# Altium PCB PCB1.PcbDoc (part 3 of 14)
Units mm, origin at the board's own origin, x right, y up, seen from the top; angles counter-clockwise.
Board outline 77.2 x 62.23 mm, 2 copper layers (Top Layer, Bottom Layer); 102 components, 131 nets, 23089 pads, 324 vias.
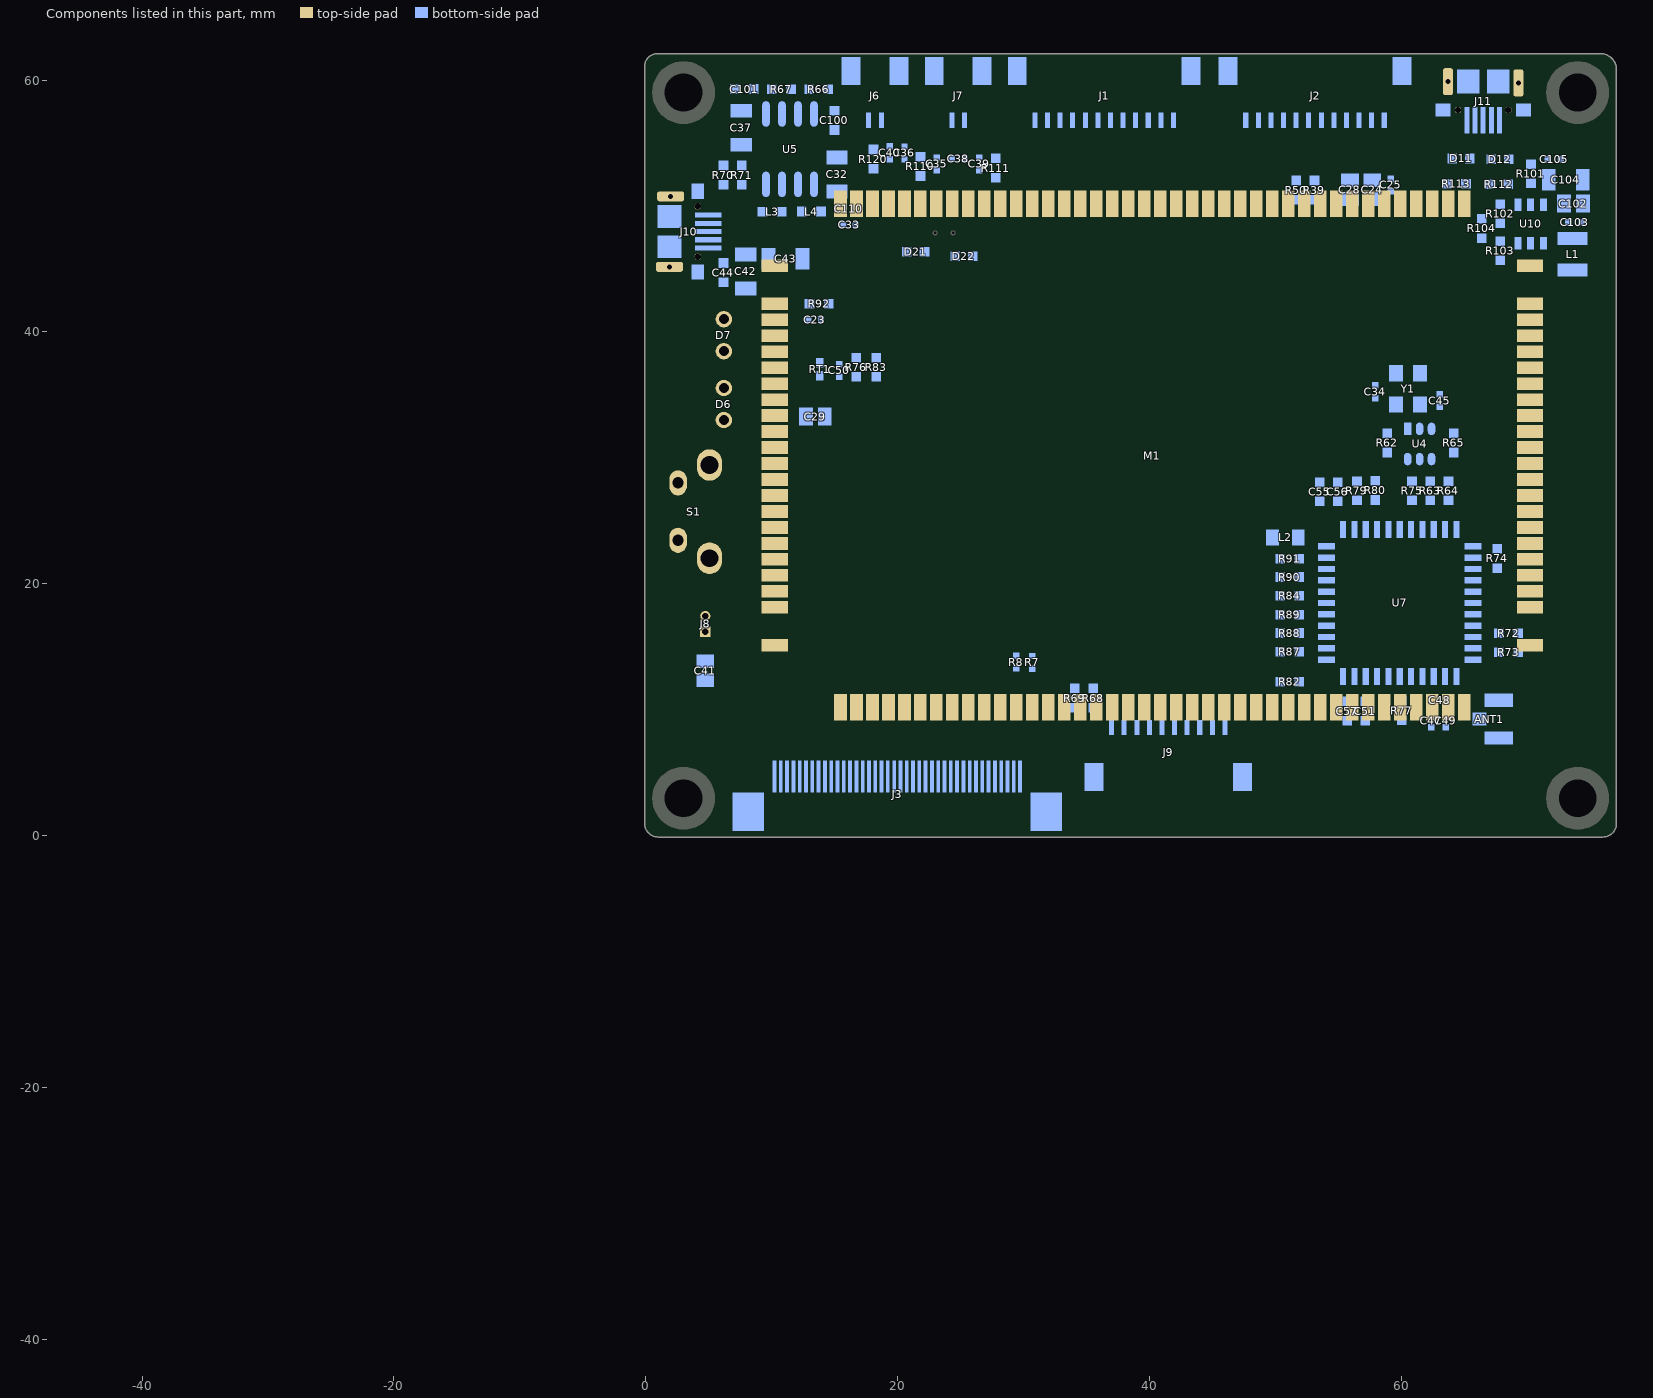
[diagram p3: the components of this part, seen from the top]

## Free pads (board coordinates) (continued)
  round 0 on Mech8: 1(-45.257,-40.501) 1(-45.257,-40.501) 1(-45.257,-40.501) 1(-45.257,-40.501) 1(-45.257,-40.5) 1(-45.257,-40.5) 1(-45.257,-40.5) 1(-45.257,-40.48) 1(-45.257,-40.48) 1(-45.257,-40.48) 1(-45.257,-40.48) 1(-45.257,-40.48) 1(-45.257,-40.48) 1(-45.257,-40.48) 1(-45.257,-40.48) 1(-45.257,-40.48) 1(-45.257,-40.478) 1(-45.257,-40.478) 1(-45.257,-40.478) 1(-45.257,-40.477) 1(-45.257,-40.477) 1(-45.257,-40.477) 1(-45.257,-40.477) 1(-45.257,-40.477) 1(-45.257,-40.477) 1(-45.256,-40.506) 1(-45.256,-40.506) 1(-45.256,-40.506) 1(-45.256,-40.506) 1(-45.256,-40.506) 1(-45.256,-40.506) 1(-45.256,-40.505) 1(-45.256,-40.505) 1(-45.256,-40.505) 1(-45.256,-40.505) 1(-45.256,-40.505) 1(-45.256,-40.505) 1(-45.256,-40.51) 1(-45.256,-40.51) 1(-45.256,-40.51) 1(-45.256,-40.51) 1(-45.256,-40.51) 1(-45.256,-40.51) 1(-45.256,-40.509) 1(-45.256,-40.509) 1(-45.256,-40.509) 1(-45.256,-40.509) 1(-45.256,-40.509) 1(-45.256,-40.509) 1(-45.256,-40.503) 1(-45.256,-40.503) 1(-45.256,-40.503) 1(-45.256,-40.503) 1(-45.256,-40.503) 1(-45.256,-40.503) 1(-45.256,-40.501) 1(-45.256,-40.501) 1(-45.256,-40.501) 1(-45.256,-40.501) 1(-45.256,-40.501) 1(-45.256,-40.501) 1(-45.256,-40.501) 1(-45.256,-40.501) 1(-45.256,-40.501) 1(-45.256,-40.501) 1(-45.256,-40.501) 1(-45.256,-40.501) 1(-45.256,-40.5) 1(-45.256,-40.5) 1(-45.256,-40.5) 1(-45.256,-40.5) 1(-45.256,-40.5) 1(-45.256,-40.5) 1(-45.246,-40.493) 1(-45.246,-40.493) 1(-45.246,-40.493) 1(-45.246,-40.493) 1(-45.246,-40.493) 1(-45.246,-40.493) 1(-45.246,-40.492) 1(-45.246,-40.492) 1(-45.246,-40.492) 1(-45.246,-40.491) 1(-45.246,-40.491) 1(-45.246,-40.491) 1(-45.246,-40.49) 1(-45.246,-40.49) 1(-45.246,-40.49) 1(-45.246,-40.49) 1(-45.246,-40.49) 1(-45.246,-40.49) 1(-45.246,-40.49) 1(-45.246,-40.49) 1(-45.246,-40.49) 1(-45.246,-40.49) 1(-45.246,-40.49) 1(-45.246,-40.49) 1(-45.246,-40.489) 1(-45.246,-40.489) 1(-45.246,-40.489) 1(-45.246,-40.488) 1(-45.246,-40.488) 1(-45.246,-40.488) 1(-45.246,-40.487) 1(-45.246,-40.487) 1(-45.246,-40.487) 1(-45.246,-40.487) 1(-45.246,-40.487) 1(-45.246,-40.487) 1(-45.246,-40.487) 1(-45.246,-40.487) 1(-45.246,-40.487) 1(-45.246,-40.487) 1(-45.246,-40.487) 1(-45.246,-40.487) 1(-45.246,-40.486) 1(-45.246,-40.486) 1(-45.246,-40.486) 1(-45.246,-40.485) 1(-45.246,-40.485) 1(-45.246,-40.485) 1(-45.246,-40.484) 1(-45.246,-40.484) 1(-45.246,-40.484) 1(-45.246,-40.484) 1(-45.246,-40.484) 1(-45.246,-40.484) 1(-45.246,-40.484) 1(-45.246,-40.484) 1(-45.246,-40.484) 1(-45.246,-40.484) 1(-45.246,-40.484) 1(-45.246,-40.484) 1(-45.246,-40.483) 1(-45.246,-40.483) 1(-45.246,-40.483) 1(-45.246,-40.482) 1(-45.246,-40.482) 1(-45.246,-40.482) 1(-45.246,-40.481) 1(-45.246,-40.481) 1(-45.246,-40.481) 1(-45.246,-40.481) 1(-45.246,-40.481) 1(-45.246,-40.481) 1(-45.245,-40.493) 1(-45.245,-40.493) 1(-45.245,-40.493) 1(-45.245,-40.493) 1(-45.245,-40.493) 1(-45.245,-40.493) 1(-45.245,-40.492) 1(-45.245,-40.492) 1(-45.245,-40.492) 1(-45.245,-40.491) 1(-45.245,-40.491) 1(-45.245,-40.491) 1(-45.245,-40.49) 1(-45.245,-40.49) 1(-45.245,-40.49) 1(-45.245,-40.49) 1(-45.245,-40.49) 1(-45.245,-40.49) 1(-45.245,-40.49) 1(-45.245,-40.49) 1(-45.245,-40.49) 1(-45.245,-40.49) 1(-45.245,-40.49) 1(-45.245,-40.49) 1(-45.245,-40.489) 1(-45.245,-40.489) 1(-45.245,-40.489) 1(-45.245,-40.488) 1(-45.245,-40.488) 1(-45.245,-40.488) 1(-45.245,-40.487) 1(-45.245,-40.487) 1(-45.245,-40.487) 1(-45.245,-40.487) 1(-45.245,-40.487) 1(-45.245,-40.487) 1(-45.245,-40.487) 1(-45.245,-40.487) 1(-45.245,-40.487) 1(-45.245,-40.487) 1(-45.245,-40.487) 1(-45.245,-40.487) 1(-45.245,-40.486) 1(-45.245,-40.486) 1(-45.245,-40.486) 1(-45.245,-40.485) 1(-45.245,-40.485) 1(-45.245,-40.485) 1(-45.245,-40.484) 1(-45.245,-40.484) 1(-45.245,-40.484) 1(-45.245,-40.484) 1(-45.245,-40.484) 1(-45.245,-40.484) 1(-45.245,-40.484) 1(-45.245,-40.484) 1(-45.245,-40.484) 1(-45.245,-40.484) 1(-45.245,-40.484) 1(-45.245,-40.484) 1(-45.245,-40.483) 1(-45.245,-40.483) 1(-45.245,-40.483) 1(-45.245,-40.482) 1(-45.245,-40.482) 1(-45.245,-40.482) 1(-45.245,-40.481) 1(-45.245,-40.481) 1(-45.245,-40.481) 1(-45.245,-40.481) 1(-45.245,-40.481) 1(-45.245,-40.481) 1(-45.245,-40.5) 1(-45.245,-40.5) 1(-45.245,-40.5) 1(-45.245,-40.499) 1(-45.245,-40.499) 1(-45.245,-40.499) 1(-45.244,-40.512) 1(-45.244,-40.512) 1(-45.244,-40.512) 1(-45.244,-40.512) 1(-45.244,-40.512) 1(-45.244,-40.512) 1(-45.244,-40.51) 1(-45.244,-40.51) 1(-45.244,-40.51) 1(-45.244,-40.51) 1(-45.244,-40.51) 1(-45.244,-40.51) 1(-45.244,-40.509) 1(-45.244,-40.509) 1(-45.244,-40.509) 1(-45.244,-40.509) 1(-45.244,-40.509) 1(-45.244,-40.509) 1(-45.244,-40.508) 1(-45.244,-40.508) 1(-45.244,-40.508) 1(-45.244,-40.508) 1(-45.244,-40.508) 1(-45.244,-40.508) 1(-45.244,-40.508) 1(-45.244,-40.508) 1(-45.244,-40.508) 1(-45.244,-40.508) 1(-45.244,-40.508) 1(-45.244,-40.508) 1(-45.244,-40.507) 1(-45.244,-40.507) 1(-45.244,-40.507) 1(-45.244,-40.507) 1(-45.244,-40.507) 1(-45.244,-40.507) 1(-45.244,-40.506) 1(-45.244,-40.506) 1(-45.244,-40.506) 1(-45.244,-40.506) 1(-45.244,-40.506) 1(-45.244,-40.506) 1(-45.244,-40.505) 1(-45.244,-40.505) 1(-45.244,-40.505) 1(-45.244,-40.505) 1(-45.244,-40.505) 1(-45.244,-40.505) 1(-45.244,-40.505) 1(-45.244,-40.505) 1(-45.244,-40.505) 1(-45.244,-40.505) 1(-45.244,-40.505) 1(-45.244,-40.505) 1(-45.244,-40.504) 1(-45.244,-40.504) 1(-45.244,-40.504) 1(-45.244,-40.504) 1(-45.244,-40.504) 1(-45.244,-40.504) 1(-45.244,-40.503) 1(-45.244,-40.503) 1(-45.244,-40.503) 1(-45.244,-40.503) 1(-45.244,-40.503) 1(-45.244,-40.503) 1(-45.244,-40.502) 1(-45.244,-40.502) 1(-45.244,-40.502) 1(-45.244,-40.502) 1(-45.244,-40.502) 1(-45.244,-40.502) 1(-45.244,-40.502) 1(-45.244,-40.502) 1(-45.244,-40.502) 1(-45.244,-40.502) 1(-45.244,-40.502) 1(-45.244,-40.502) 1(-45.244,-40.501) 1(-45.244,-40.501) 1(-45.244,-40.501) 1(-45.244,-40.501) 1(-45.244,-40.501) 1(-45.244,-40.501) 1(-45.243,-40.5) 1(-45.243,-40.5) 1(-45.243,-40.5) 1(-45.243,-40.5) 1(-45.243,-40.5) 1(-45.243,-40.5) 1(-45.243,-40.499) 1(-45.243,-40.499) 1(-45.243,-40.499) 1(-45.243,-40.499) 1(-45.243,-40.499) 1(-45.243,-40.499) 1(-45.243,-40.512) 1(-45.243,-40.512) 1(-45.243,-40.512) 1(-45.243,-40.51) 1(-45.243,-40.51) 1(-45.243,-40.51) 1(-45.243,-40.509) 1(-45.243,-40.509) 1(-45.243,-40.509) 1(-45.243,-40.508) 1(-45.243,-40.508) 1(-45.243,-40.508) 1(-45.243,-40.508) 1(-45.243,-40.508) 1(-45.243,-40.508) 1(-45.243,-40.507) 1(-45.243,-40.507) 1(-45.243,-40.507) 1(-45.243,-40.506) 1(-45.243,-40.506) 1(-45.243,-40.506) 1(-45.243,-40.505) 1(-45.243,-40.505) 1(-45.243,-40.505) 1(-45.243,-40.505) 1(-45.243,-40.505) 1(-45.243,-40.505) 1(-45.243,-40.504) 1(-45.243,-40.504) 1(-45.243,-40.504) 1(-45.243,-40.503) 1(-45.243,-40.503) 1(-45.243,-40.503) 1(-45.243,-40.502) 1(-45.243,-40.502) 1(-45.243,-40.502) 1(-45.243,-40.502) 1(-45.243,-40.502) 1(-45.243,-40.502) 1(-45.243,-40.501) 1(-45.243,-40.501) 1(-45.243,-40.501) 1(-45.243,-40.473) 1(-45.243,-40.473) 1(-45.243,-40.473) 1(-45.243,-40.473) 1(-45.243,-40.473) 1(-45.243,-40.473) 1(-45.243,-40.472) 1(-45.243,-40.472) 1(-45.243,-40.472) 1(-45.243,-40.472) 1(-45.243,-40.472) 1(-45.243,-40.472) 1(-45.243,-40.471) 1(-45.243,-40.471) 1(-45.243,-40.471) 1(-45.243,-40.471) 1(-45.243,-40.471) 1(-45.243,-40.471) 1(-45.242,-40.484) 1(-45.242,-40.484) 1(-45.242,-40.484) 1(-45.242,-40.484) 1(-45.242,-40.484) 1(-45.242,-40.484) 1(-45.242,-40.483) 1(-45.242,-40.483) 1(-45.242,-40.483) 1(-45.242,-40.482) 1(-45.242,-40.482) 1(-45.242,-40.482) 1(-45.242,-40.481) 1(-45.242,-40.481) 1(-45.242,-40.481) 1(-45.242,-40.481) 1(-45.242,-40.481) 1(-45.242,-40.481) 1(-45.242,-40.512) 1(-45.242,-40.512) 1(-45.242,-40.512) 1(-45.242,-40.51) 1(-45.242,-40.51) 1(-45.242,-40.51) 1(-45.242,-40.509) 1(-45.242,-40.509) 1(-45.242,-40.509) 1(-45.242,-40.508) 1(-45.242,-40.508) 1(-45.242,-40.508) 1(-45.242,-40.508) 1(-45.242,-40.508) 1(-45.242,-40.508) 1(-45.242,-40.507) 1(-45.242,-40.507) 1(-45.242,-40.507) 1(-45.242,-40.506) 1(-45.242,-40.506) 1(-45.242,-40.506) 1(-45.242,-40.505) 1(-45.242,-40.505) 1(-45.242,-40.505) 1(-45.242,-40.505) 1(-45.242,-40.505) 1(-45.242,-40.505) 1(-45.242,-40.504) 1(-45.242,-40.504) 1(-45.242,-40.504) 1(-45.242,-40.503) 1(-45.242,-40.503) 1(-45.242,-40.503) 1(-45.242,-40.502) 1(-45.242,-40.502) 1(-45.242,-40.502) 1(-45.242,-40.502) 1(-45.242,-40.502) 1(-45.242,-40.502) 1(-45.242,-40.501) 1(-45.242,-40.501) 1(-45.242,-40.501) 1(-45.241,-40.473) 1(-45.241,-40.473) 1(-45.241,-40.473) 1(-45.241,-40.473) 1(-45.241,-40.473) 1(-45.241,-40.473) 1(-45.241,-40.472) 1(-45.241,-40.472) 1(-45.241,-40.472) 1(-45.241,-40.472) 1(-45.241,-40.472) 1(-45.241,-40.472) 1(-45.241,-40.471) 1(-45.241,-40.471) 1(-45.241,-40.471) 1(-45.241,-40.471) 1(-45.241,-40.471) 1(-45.241,-40.471) 1(-45.241,-40.473) 1(-45.241,-40.473) 1(-45.241,-40.473) 1(-45.241,-40.473) 1(-45.241,-40.473) 1(-45.241,-40.473) 1(-45.241,-40.472) 1(-45.241,-40.472) 1(-45.241,-40.472) 1(-45.241,-40.472) 1(-45.241,-40.472) 1(-45.241,-40.472) 1(-45.241,-40.471) 1(-45.241,-40.471) 1(-45.241,-40.471) 1(-45.241,-40.471) 1(-45.241,-40.471) 1(-45.241,-40.471) 1(-45.241,-40.512) 1(-45.241,-40.512) 1(-45.241,-40.512) 1(-45.241,-40.512) 1(-45.241,-40.512) 1(-45.241,-40.512) 1(-45.241,-40.51) 1(-45.241,-40.51) 1(-45.241,-40.51) 1(-45.241,-40.51) 1(-45.241,-40.51) 1(-45.241,-40.51) 1(-45.241,-40.509) 1(-45.241,-40.509) 1(-45.241,-40.509) 1(-45.241,-40.509) 1(-45.241,-40.509) 1(-45.241,-40.509) 1(-45.241,-40.508) 1(-45.241,-40.508) 1(-45.241,-40.508) 1(-45.241,-40.508) 1(-45.241,-40.508) 1(-45.241,-40.508) 1(-45.241,-40.508) 1(-45.241,-40.508) 1(-45.241,-40.508) 1(-45.241,-40.508) 1(-45.241,-40.508) 1(-45.241,-40.508) 1(-45.241,-40.507) 1(-45.241,-40.507) 1(-45.241,-40.507) 1(-45.241,-40.507) 1(-45.241,-40.507) 1(-45.241,-40.507) 1(-45.241,-40.506) 1(-45.241,-40.506) 1(-45.241,-40.506) 1(-45.241,-40.506) 1(-45.241,-40.506) 1(-45.241,-40.506) 1(-45.241,-40.505) 1(-45.241,-40.505) 1(-45.241,-40.505) 1(-45.241,-40.505) 1(-45.241,-40.505) 1(-45.241,-40.505) 1(-45.241,-40.505) 1(-45.241,-40.505) 1(-45.241,-40.505) 1(-45.241,-40.505) 1(-45.241,-40.505) 1(-45.241,-40.505) 1(-45.241,-40.504) 1(-45.241,-40.504) 1(-45.241,-40.504) 1(-45.241,-40.504) 1(-45.241,-40.504) 1(-45.241,-40.504) 1(-45.241,-40.503) 1(-45.241,-40.503) 1(-45.241,-40.503) 1(-45.241,-40.503) 1(-45.241,-40.503) 1(-45.241,-40.503) 1(-45.241,-40.502) 1(-45.241,-40.502) 1(-45.241,-40.502) 1(-45.241,-40.502) 1(-45.241,-40.502) 1(-45.241,-40.502) 1(-45.241,-40.502) 1(-45.241,-40.502) 1(-45.241,-40.502) 1(-45.241,-40.502) 1(-45.241,-40.502) 1(-45.241,-40.502) 1(-45.241,-40.501) 1(-45.241,-40.501) 1(-45.241,-40.501) 1(-45.241,-40.501) 1(-45.241,-40.501) 1(-45.241,-40.501) 1(-45.241,-40.5) 1(-45.241,-40.5) 1(-45.241,-40.5) 1(-45.241,-40.499) 1(-45.241,-40.499) 1(-45.241,-40.499) 1(-45.241,-40.484) 1(-45.241,-40.484) 1(-45.241,-40.484) 1(-45.241,-40.484) 1(-45.241,-40.484) 1(-45.241,-40.484) 1(-45.241,-40.483) 1(-45.241,-40.483) 1(-45.241,-40.483) 1(-45.241,-40.482) 1(-45.241,-40.482) 1(-45.241,-40.482) 1(-45.241,-40.481) 1(-45.241,-40.481) 1(-45.241,-40.481) 1(-45.241,-40.481) 1(-45.241,-40.481) 1(-45.241,-40.481) 1(-45.241,-40.484) 1(-45.241,-40.484) 1(-45.241,-40.484) 1(-45.241,-40.484) 1(-45.241,-40.484) 1(-45.241,-40.484) 1(-45.241,-40.483) 1(-45.241,-40.483) 1(-45.241,-40.483) 1(-45.241,-40.482) 1(-45.241,-40.482) 1(-45.241,-40.482) 1(-45.241,-40.481) 1(-45.241,-40.481) 1(-45.241,-40.481) 1(-45.241,-40.481) 1(-45.241,-40.481) 1(-45.241,-40.481) 1(-45.241,-40.481) 1(-45.241,-40.481) 1(-45.241,-40.481) 1(-45.24,-40.473) 1(-45.24,-40.473) 1(-45.24,-40.473) 1(-45.24,-40.473) 1(-45.24,-40.473) 1(-45.24,-40.473) 1(-45.24,-40.472) 1(-45.24,-40.472) 1(-45.24,-40.472) 1(-45.24,-40.472) 1(-45.24,-40.472) 1(-45.24,-40.472) 1(-45.24,-40.471) 1(-45.24,-40.471) 1(-45.24,-40.471) 1(-45.24,-40.471) 1(-45.24,-40.471) 1(-45.24,-40.471) 1(-45.24,-40.484) 1(-45.24,-40.484) 1(-45.24,-40.484) 1(-45.24,-40.484) 1(-45.24,-40.484) 1(-45.24,-40.484) 1(-45.24,-40.483) 1(-45.24,-40.483) 1(-45.24,-40.483) 1(-45.24,-40.482) 1(-45.24,-40.482) 1(-45.24,-40.482) 1(-45.24,-40.481) 1(-45.24,-40.481) 1(-45.24,-40.481) 1(-45.24,-40.481) 1(-45.24,-40.481) 1(-45.24,-40.481) 1(-45.24,-40.481) 1(-45.24,-40.481) 1(-45.24,-40.481) 1(-45.24,-40.494) 1(-45.24,-40.494) 1(-45.24,-40.494) 1(-45.24,-40.494) 1(-45.24,-40.494) 1(-45.24,-40.494) 1(-45.24,-40.493) 1(-45.24,-40.493) 1(-45.24,-40.493) 1(-45.24,-40.492) 1(-45.24,-40.492) 1(-45.24,-40.492) 1(-45.24,-40.491) 1(-45.24,-40.491) 1(-45.24,-40.491) 1(-45.24,-40.491) 1(-45.24,-40.491) 1(-45.24,-40.491) 1(-45.24,-40.491) 1(-45.24,-40.491) 1(-45.24,-40.491) 1(-45.24,-40.491) 1(-45.24,-40.491) 1(-45.24,-40.491) 1(-45.24,-40.49) 1(-45.24,-40.49) 1(-45.24,-40.49) 1(-45.24,-40.489) 1(-45.24,-40.489) 1(-45.24,-40.489) 1(-45.24,-40.488) 1(-45.24,-40.488) 1(-45.24,-40.488) 1(-45.24,-40.488) 1(-45.24,-40.488) 1(-45.24,-40.488) 1(-45.238,-40.484) 1(-45.238,-40.484) 1(-45.238,-40.484) 1(-45.238,-40.484) 1(-45.238,-40.484) 1(-45.238,-40.484) 1(-45.238,-40.483) 1(-45.238,-40.483) 1(-45.238,-40.483) 1(-45.238,-40.482) 1(-45.238,-40.482) 1(-45.238,-40.482) 1(-45.238,-40.481) 1(-45.238,-40.481) 1(-45.238,-40.481) 1(-45.238,-40.481) 1(-45.238,-40.481) 1(-45.238,-40.481) 1(-45.238,-40.487) 1(-45.238,-40.487) 1(-45.238,-40.487) 1(-45.238,-40.487) 1(-45.238,-40.487) 1(-45.238,-40.487) 1(-45.238,-40.486) 1(-45.238,-40.486) 1(-45.238,-40.486) 1(-45.238,-40.486) 1(-45.238,-40.486) 1(-45.238,-40.486) 1(-45.238,-40.485) 1(-45.238,-40.485) 1(-45.238,-40.485) 1(-45.238,-40.485) 1(-45.238,-40.485) 1(-45.238,-40.485) 1(-45.238,-40.494) 1(-45.238,-40.494) 1(-45.238,-40.494) 1(-45.238,-40.494) 1(-45.238,-40.494) 1(-45.238,-40.494) 1(-45.238,-40.493) 1(-45.238,-40.493) 1(-45.238,-40.493) 1(-45.238,-40.492) 1(-45.238,-40.492) 1(-45.238,-40.492) 1(-45.238,-40.491) 1(-45.238,-40.491) 1(-45.238,-40.491) 1(-45.238,-40.491) 1(-45.238,-40.491) 1(-45.238,-40.491) 1(-45.238,-40.491) 1(-45.238,-40.491) 1(-45.238,-40.491) 1(-45.238,-40.491) 1(-45.238,-40.491) 1(-45.238,-40.491) 1(-45.238,-40.49) 1(-45.238,-40.49) 1(-45.238,-40.49) 1(-45.238,-40.489) 1(-45.238,-40.489) 1(-45.238,-40.489) 1(-45.238,-40.488) 1(-45.238,-40.488) 1(-45.238,-40.488) 1(-45.238,-40.488) 1(-45.238,-40.488) 1(-45.238,-40.488) 1(-45.238,-40.497) 1(-45.238,-40.497) 1(-45.238,-40.497) 1(-45.238,-40.497) 1(-45.238,-40.497) 1(-45.238,-40.497) 1(-45.238,-40.496) 1(-45.238,-40.496) 1(-45.238,-40.496) 1(-45.238,-40.495) 1(-45.238,-40.495) 1(-45.238,-40.495) 1(-45.238,-40.494) 1(-45.238,-40.494) 1(-45.238,-40.494) 1(-45.238,-40.494) 1(-45.238,-40.494) 1(-45.238,-40.494) 1(-45.237,-40.484) 1(-45.237,-40.484) 1(-45.237,-40.484) 1(-45.237,-40.484) 1(-45.237,-40.484) 1(-45.237,-40.484) 1(-45.237,-40.483) 1(-45.237,-40.483) 1(-45.237,-40.483) 1(-45.237,-40.482) 1(-45.237,-40.482) 1(-45.237,-40.482) 1(-45.237,-40.481) 1(-45.237,-40.481) 1(-45.237,-40.481) 1(-45.237,-40.481) 1(-45.237,-40.481) 1(-45.237,-40.481) 1(-45.237,-40.487) 1(-45.237,-40.487) 1(-45.237,-40.487) 1(-45.237,-40.487) 1(-45.237,-40.487) 1(-45.237,-40.487) 1(-45.237,-40.486) 1(-45.237,-40.486) 1(-45.237,-40.486) 1(-45.237,-40.486) 1(-45.237,-40.486) 1(-45.237,-40.486) 1(-45.237,-40.485) 1(-45.237,-40.485) 1(-45.237,-40.485) 1(-45.237,-40.485) 1(-45.237,-40.485) 1(-45.237,-40.485) 1(-45.237,-40.484) 1(-45.237,-40.484) 1(-45.237,-40.484) 1(-45.237,-40.484) 1(-45.237,-40.484) 1(-45.237,-40.484) 1(-45.237,-40.483) 1(-45.237,-40.483) 1(-45.237,-40.483) 1(-45.237,-40.482) 1(-45.237,-40.482) 1(-45.237,-40.482) 1(-45.237,-40.481) 1(-45.237,-40.481) 1(-45.237,-40.481) 1(-45.237,-40.481) 1(-45.237,-40.481) 1(-45.237,-40.481) 1(-45.237,-40.497) 1(-45.237,-40.497) 1(-45.237,-40.497) 1(-45.237,-40.497) 1(-45.237,-40.497) 1(-45.237,-40.497) 1(-45.237,-40.496) 1(-45.237,-40.496) 1(-45.237,-40.496) 1(-45.237,-40.495) 1(-45.237,-40.495) 1(-45.237,-40.495) 1(-45.237,-40.494) 1(-45.237,-40.494) 1(-45.237,-40.494) 1(-45.237,-40.494) 1(-45.237,-40.494) 1(-45.237,-40.494) 1(-45.236,-40.497) 1(-45.236,-40.497) 1(-45.236,-40.497) 1(-45.236,-40.497) 1(-45.236,-40.497) 1(-45.236,-40.497) 1(-45.236,-40.496) 1(-45.236,-40.496) 1(-45.236,-40.496) 1(-45.236,-40.495) 1(-45.236,-40.495) 1(-45.236,-40.495) 1(-45.236,-40.494) 1(-45.236,-40.494) 1(-45.236,-40.494) 1(-45.236,-40.494) 1(-45.236,-40.494) 1(-45.236,-40.494) 1(-45.236,-40.485) 1(-45.236,-40.485) 1(-45.236,-40.485) 1(-45.236,-40.485) 1(-45.236,-40.485) 1(-45.236,-40.485) 1(-45.236,-40.484) 1(-45.236,-40.484) 1(-45.236,-40.484) 1(-45.236,-40.484) 1(-45.236,-40.484) 1(-45.236,-40.484) 1(-45.236,-40.484) 1(-45.236,-40.484) 1(-45.236,-40.484) 1(-45.236,-40.484) 1(-45.236,-40.484) 1(-45.236,-40.484) 1(-45.236,-40.483) 1(-45.236,-40.483) 1(-45.236,-40.483) 1(-45.236,-40.482) 1(-45.236,-40.482) 1(-45.236,-40.482) 1(-45.236,-40.481) 1(-45.236,-40.481) 1(-45.236,-40.481) 1(-45.236,-40.481) 1(-45.236,-40.481) 1(-45.236,-40.481) 1(-45.235,-40.493) 1(-45.235,-40.493) 1(-45.235,-40.493) 1(-45.235,-40.493) 1(-45.235,-40.493) 1(-45.235,-40.493) 1(-45.235,-40.492) 1(-45.235,-40.492) 1(-45.235,-40.492) 1(-45.235,-40.492) 1(-45.235,-40.492) 1(-45.235,-40.492) 1(-45.235,-40.491) 1(-45.235,-40.491) 1(-45.235,-40.491) 1(-45.235,-40.491) 1(-45.235,-40.491) 1(-45.235,-40.491) 1(-45.235,-40.497) 1(-45.235,-40.497) 1(-45.235,-40.497) 1(-45.235,-40.497) 1(-45.235,-40.497) 1(-45.235,-40.497) 1(-45.235,-40.496) 1(-45.235,-40.496) 1(-45.235,-40.496) 1(-45.235,-40.495) 1(-45.235,-40.495) 1(-45.235,-40.495) 1(-45.235,-40.494) 1(-45.235,-40.494) 1(-45.235,-40.494) 1(-45.235,-40.494) 1(-45.235,-40.494) 1(-45.235,-40.494) 1(-45.235,-40.485) 1(-45.235,-40.485) 1(-45.235,-40.485) 1(-45.235,-40.484) 1(-45.235,-40.484) 1(-45.235,-40.484) 1(-45.234,-40.515) 1(-45.234,-40.515) 1(-45.234,-40.515) 1(-45.234,-40.515) 1(-45.234,-40.515) 1(-45.234,-40.515) 1(-45.234,-40.514) 1(-45.234,-40.514) 1(-45.234,-40.514) 1(-45.234,-40.513) 1(-45.234,-40.513) 1(-45.234,-40.513) 1(-45.234,-40.512) 1(-45.234,-40.512) 1(-45.234,-40.512) 1(-45.234,-40.512) 1(-45.234,-40.512) 1(-45.234,-40.512) 1(-45.234,-40.485) 1(-45.234,-40.485) 1(-45.234,-40.485) 1(-45.234,-40.484) 1(-45.234,-40.484) 1(-45.234,-40.484) 1(-45.234,-40.493) 1(-45.234,-40.493) 1(-45.234,-40.493) 1(-45.234,-40.493) 1(-45.234,-40.493) 1(-45.234,-40.493) 1(-45.234,-40.492) 1(-45.234,-40.492) 1(-45.234,-40.492) 1(-45.234,-40.492) 1(-45.234,-40.492) 1(-45.234,-40.492) 1(-45.234,-40.491) 1(-45.234,-40.491) 1(-45.234,-40.491) 1(-45.234,-40.491) 1(-45.234,-40.491) 1(-45.234,-40.491) 1(-45.233,-40.497) 1(-45.233,-40.497) 1(-45.233,-40.497) 1(-45.233,-40.497) 1(-45.233,-40.497) 1(-45.233,-40.497) 1(-45.233,-40.496) 1(-45.233,-40.496) 1(-45.233,-40.496) 1(-45.233,-40.495) 1(-45.233,-40.495) 1(-45.233,-40.495) 1(-45.233,-40.494) 1(-45.233,-40.494) 1(-45.233,-40.494) 1(-45.233,-40.494) 1(-45.233,-40.494) 1(-45.233,-40.494) 1(-45.233,-40.485) 1(-45.233,-40.485) 1(-45.233,-40.485) 1(-45.233,-40.485) 1(-45.233,-40.485) 1(-45.233,-40.485) 1(-45.233,-40.484) 1(-45.233,-40.484) 1(-45.233,-40.484) 1(-45.233,-40.484) 1(-45.233,-40.484) 1(-45.233,-40.484) 1(-45.233,-40.515) 1(-45.233,-40.515) 1(-45.233,-40.515) 1(-45.233,-40.515) 1(-45.233,-40.515) 1(-45.233,-40.515) 1(-45.233,-40.514) 1(-45.233,-40.514) 1(-45.233,-40.514) 1(-45.233,-40.513) 1(-45.233,-40.513) 1(-45.233,-40.513) 1(-45.233,-40.512) 1(-45.233,-40.512) 1(-45.233,-40.512) 1(-45.233,-40.512) 1(-45.233,-40.512) 1(-45.233,-40.512) 1(-45.233,-40.485) 1(-45.233,-40.485) 1(-45.233,-40.485) 1(-45.233,-40.485) 1(-45.233,-40.485) 1(-45.233,-40.485) 1(-45.233,-40.484) 1(-45.233,-40.484) 1(-45.233,-40.484) 1(-45.233,-40.484) 1(-45.233,-40.484) 1(-45.233,-40.484) 1(-45.232,-40.497) 1(-45.232,-40.497) 1(-45.232,-40.497) 1(-45.232,-40.497) 1(-45.232,-40.497) 1(-45.232,-40.497) 1(-45.232,-40.496) 1(-45.232,-40.496) 1(-45.232,-40.496) 1(-45.232,-40.495) 1(-45.232,-40.495) 1(-45.232,-40.495) 1(-45.232,-40.494) 1(-45.232,-40.494) 1(-45.232,-40.494) 1(-45.232,-40.494) 1(-45.232,-40.494) 1(-45.232,-40.494) 1(-45.232,-40.497) 1(-45.232,-40.497) 1(-45.232,-40.497) 1(-45.232,-40.497) 1(-45.232,-40.497) 1(-45.232,-40.497) 1(-45.232,-40.496) 1(-45.232,-40.496) 1(-45.232,-40.496) 1(-45.232,-40.495) 1(-45.232,-40.495) 1(-45.232,-40.495) 1(-45.232,-40.494) 1(-45.232,-40.494) 1(-45.232,-40.494) 1(-45.232,-40.494) 1(-45.232,-40.494) 1(-45.232,-40.494) 1(-45.232,-40.485) 1(-45.232,-40.485) 1(-45.232,-40.485) 1(-45.232,-40.484) 1(-45.232,-40.484) 1(-45.232,-40.484) 1(-45.231,-40.485) 1(-45.231,-40.485) 1(-45.231,-40.485) 1(-45.231,-40.484) 1(-45.231,-40.484) 1(-45.231,-40.484) 1(-45.231,-40.467) 1(-45.231,-40.467) 1(-45.231,-40.467) 1(-45.231,-40.467) 1(-45.231,-40.467) 1(-45.231,-40.467) 1(-45.231,-40.461) 1(-45.231,-40.461) 1(-45.231,-40.461) 1(-45.231,-40.461) 1(-45.231,-40.461) 1(-45.231,-40.461) 1(-45.231,-40.497) 1(-45.231,-40.497) 1(-45.231,-40.497) 1(-45.231,-40.497) 1(-45.231,-40.497) 1(-45.231,-40.497) 1(-45.231,-40.496) 1(-45.231,-40.496) 1(-45.231,-40.496) 1(-45.231,-40.495) 1(-45.231,-40.495) 1(-45.231,-40.495) 1(-45.231,-40.494) 1(-45.231,-40.494) 1(-45.231,-40.494) 1(-45.231,-40.494) 1(-45.231,-40.494) 1(-45.231,-40.494) 1(-45.231,-40.472) 1(-45.231,-40.472) 1(-45.231,-40.472) 1(-45.231,-40.472) 1(-45.231,-40.472) 1(-45.231,-40.472) 1(-45.231,-40.471) 1(-45.231,-40.471) 1(-45.231,-40.471) 1(-45.231,-40.471) 1(-45.231,-40.471) 1(-45.231,-40.471) 1(-45.231,-40.497) 1(-45.231,-40.497) 1(-45.231,-40.497) 1(-45.231,-40.497) 1(-45.231,-40.497) 1(-45.231,-40.497) 1(-45.231,-40.496) 1(-45.231,-40.496) 1(-45.231,-40.496) 1(-45.231,-40.495) 1(-45.231,-40.495) 1(-45.231,-40.495) 1(-45.231,-40.494) 1(-45.231,-40.494) 1(-45.231,-40.494) 1(-45.231,-40.494) 1(-45.231,-40.494) 1(-45.231,-40.494) 1(-45.23,-40.47) 1(-45.23,-40.47) 1(-45.23,-40.47) 1(-45.23,-40.47) 1(-45.23,-40.47) 1(-45.23,-40.47) 1(-45.23,-40.469) 1(-45.23,-40.469) 1(-45.23,-40.469) 1(-45.23,-40.469) 1(-45.23,-40.469) 1(-45.23,-40.469) 1(-45.23,-40.485) 1(-45.23,-40.485) 1(-45.23,-40.485) 1(-45.23,-40.485) 1(-45.23,-40.485) 1(-45.23,-40.485) 1(-45.23,-40.484) 1(-45.23,-40.484) 1(-45.23,-40.484) 1(-45.23,-40.484) 1(-45.23,-40.484) 1(-45.23,-40.484) 1(-45.23,-40.47) 1(-45.23,-40.47) 1(-45.23,-40.47) 1(-45.23,-40.493) 1(-45.23,-40.493) 1(-45.23,-40.493) 1(-45.23,-40.493) 1(-45.23,-40.493) 1(-45.23,-40.493) 1(-45.23,-40.492) 1(-45.23,-40.492) 1(-45.23,-40.492) 1(-45.23,-40.492) 1(-45.23,-40.492) 1(-45.23,-40.492) 1(-45.23,-40.491) 1(-45.23,-40.491) 1(-45.23,-40.491) 1(-45.23,-40.491) 1(-45.23,-40.491) 1(-45.23,-40.491) 1(-45.23,-40.47) 1(-45.23,-40.47) 1(-45.23,-40.47) 1(-45.23,-40.47) 1(-45.23,-40.47) 1(-45.23,-40.47) 1(-45.23,-40.469) 1(-45.23,-40.469) 1(-45.23,-40.469) 1(-45.23,-40.469) 1(-45.23,-40.469) 1(-45.23,-40.469) 1(-45.23,-40.469) 1(-45.23,-40.469) 1(-45.23,-40.469) 1(-45.23,-40.472) 1(-45.23,-40.472) 1(-45.23,-40.472) 1(-45.23,-40.471) 1(-45.23,-40.471) 1(-45.23,-40.471) 1(-45.229,-40.497) 1(-45.229,-40.497) 1(-45.229,-40.497) 1(-45.229,-40.497) 1(-45.229,-40.497) 1(-45.229,-40.497) 1(-45.229,-40.496) 1(-45.229,-40.496) 1(-45.229,-40.496) 1(-45.229,-40.495) 1(-45.229,-40.495) 1(-45.229,-40.495) 1(-45.229,-40.494) 1(-45.229,-40.494) 1(-45.229,-40.494) 1(-45.229,-40.494) 1(-45.229,-40.494) 1(-45.229,-40.494) 1(-45.229,-40.472) 1(-45.229,-40.472) 1(-45.229,-40.472) 1(-45.229,-40.471) 1(-45.229,-40.471) 1(-45.229,-40.471) 1(-45.229,-40.467) 1(-45.229,-40.467) 1(-45.229,-40.467) 1(-45.229,-40.493) 1(-45.229,-40.493) 1(-45.229,-40.493) 1(-45.229,-40.493) 1(-45.229,-40.493) 1(-45.229,-40.493) 1(-45.229,-40.492) 1(-45.229,-40.492) 1(-45.229,-40.492) 1(-45.229,-40.492) 1(-45.229,-40.492) 1(-45.229,-40.492) 1(-45.229,-40.491) 1(-45.229,-40.491) 1(-45.229,-40.491) 1(-45.229,-40.491) 1(-45.229,-40.491) 1(-45.229,-40.491) 1(-45.228,-40.476) 1(-45.228,-40.476) 1(-45.228,-40.476) 1(-45.228,-40.476) 1(-45.228,-40.476) 1(-45.228,-40.476) 1(-45.228,-40.475) 1(-45.228,-40.475) 1(-45.228,-40.475) 1(-45.228,-40.475) 1(-45.228,-40.475) 1(-45.228,-40.475) 1(-45.228,-40.474) 1(-45.228,-40.474) 1(-45.228,-40.474) 1(-45.228,-40.474) 1(-45.228,-40.474) 1(-45.228,-40.474) 1(-45.228,-40.472) 1(-45.228,-40.472) 1(-45.228,-40.472) 1(-45.228,-40.472) 1(-45.228,-40.472) 1(-45.228,-40.472) 1(-45.228,-40.471) 1(-45.228,-40.471) 1(-45.228,-40.471) 1(-45.228,-40.471) 1(-45.228,-40.471) 1(-45.228,-40.471) 1(-45.228,-40.47) 1(-45.228,-40.47) 1(-45.228,-40.47) 1(-45.228,-40.47) 1(-45.228,-40.47) 1(-45.228,-40.47) 1(-45.228,-40.469) 1(-45.228,-40.469) 1(-45.228,-40.469) 1(-45.228,-40.469) 1(-45.228,-40.469) 1(-45.228,-40.469) 1(-45.227,-40.472) 1(-45.227,-40.472) 1(-45.227,-40.472) 1(-45.227,-40.472) 1(-45.227,-40.472) 1(-45.227,-40.472) 1(-45.227,-40.471) 1(-45.227,-40.471) 1(-45.227,-40.471) 1(-45.227,-40.471) 1(-45.227,-40.471) 1(-45.227,-40.471) 1(-45.227,-40.47) 1(-45.227,-40.47) 1(-45.227,-40.47) 1(-45.227,-40.47) 1(-45.227,-40.47) 1(-45.227,-40.47) 1(-45.227,-40.469) 1(-45.227,-40.469) 1(-45.227,-40.469) 1(-45.227,-40.469) 1(-45.227,-40.469) 1(-45.227,-40.469) 1(-45.227,-40.503) 1(-45.227,-40.503) 1(-45.227,-40.503) 1(-45.227,-40.503) 1(-45.227,-40.503) 1(-45.227,-40.503) 1(-45.227,-40.502) 1(-45.227,-40.502) 1(-45.227,-40.502) 1(-45.227,-40.501) 1(-45.227,-40.501) 1(-45.227,-40.501) 1(-45.227,-40.5) 1(-45.227,-40.5) 1(-45.227,-40.5) 1(-45.227,-40.5) 1(-45.227,-40.5) 1(-45.227,-40.5) 1(-45.227,-40.476) 1(-45.227,-40.476) 1(-45.227,-40.476) 1(-45.227,-40.476) 1(-45.227,-40.476) 1(-45.227,-40.476) 1(-45.227,-40.475) 1(-45.227,-40.475) 1(-45.227,-40.475) 1(-45.227,-40.475) 1(-45.227,-40.475) 1(-45.227,-40.475) 1(-45.227,-40.474) 1(-45.227,-40.474) 1(-45.227,-40.474) 1(-45.227,-40.474) 1(-45.227,-40.474) 1(-45.227,-40.474) 1(-45.227,-40.509) 1(-45.227,-40.509) 1(-45.227,-40.509) 1(-45.227,-40.509) 1(-45.227,-40.509) 1(-45.227,-40.509) 1(-45.227,-40.508) 1(-45.227,-40.508) 1(-45.227,-40.508) 1(-45.227,-40.508) 1(-45.227,-40.508) 1(-45.227,-40.508) 1(-45.227,-40.508) 1(-45.227,-40.508) 1(-45.227,-40.508) 1(-45.227,-40.508) 1(-45.227,-40.508) 1(-45.227,-40.508) 1(-45.227,-40.507) 1(-45.227,-40.507) 1(-45.227,-40.507) 1(-45.227,-40.507) 1(-45.227,-40.507) 1(-45.227,-40.507) 1(-45.226,-40.475) 1(-45.226,-40.475) 1(-45.226,-40.475) 1(-45.226,-40.475) 1(-45.226,-40.475) 1(-45.226,-40.475) 1(-45.226,-40.474) 1(-45.226,-40.474) 1(-45.226,-40.474) 1(-45.226,-40.473) 1(-45.226,-40.473) 1(-45.226,-40.473) 1(-45.226,-40.472) 1(-45.226,-40.472) 1(-45.226,-40.472) 1(-45.226,-40.472) 1(-45.226,-40.472) 1(-45.226,-40.472) 1(-45.226,-40.478) 1(-45.226,-40.478) 1(-45.226,-40.478) 1(-45.226,-40.478) 1(-45.226,-40.478) 1(-45.226,-40.478) 1(-45.226,-40.477) 1(-45.226,-40.477) 1(-45.226,-40.477) 1(-45.226,-40.476) 1(-45.226,-40.476) 1(-45.226,-40.476) 1(-45.226,-40.475) 1(-45.226,-40.475) 1(-45.226,-40.475) 1(-45.226,-40.475) 1(-45.226,-40.475) 1(-45.226,-40.475) 1(-45.226,-40.472) 1(-45.226,-40.472) 1(-45.226,-40.472) 1(-45.226,-40.471) 1(-45.226,-40.471) 1(-45.226,-40.471) 1(-45.226,-40.472) 1(-45.226,-40.472) 1(-45.226,-40.472) 1(-45.226,-40.471) 1(-45.226,-40.471) 1(-45.226,-40.471) 1(-45.226,-40.509) 1(-45.226,-40.509) 1(-45.226,-40.509) 1(-45.226,-40.508) 1(-45.226,-40.508) 1(-45.226,-40.508) 1(-45.226,-40.508) 1(-45.226,-40.508) 1(-45.226,-40.508) 1(-45.226,-40.507) 1(-45.226,-40.507) 1(-45.226,-40.507) 1(-45.225,-40.467) 1(-45.225,-40.467) 1(-45.225,-40.467) 1(-45.225,-40.503) 1(-45.225,-40.503) 1(-45.225,-40.503) 1(-45.225,-40.503) 1(-45.225,-40.503) 1(-45.225,-40.503) 1(-45.225,-40.502) 1(-45.225,-40.502) 1(-45.225,-40.502) 1(-45.225,-40.501) 1(-45.225,-40.501) 1(-45.225,-40.501) 1(-45.225,-40.5) 1(-45.225,-40.5) 1(-45.225,-40.5) 1(-45.225,-40.5) 1(-45.225,-40.5) 1(-45.225,-40.5) 1(-45.225,-40.475) 1(-45.225,-40.475) 1(-45.225,-40.475) 1(-45.225,-40.475) 1(-45.225,-40.475) 1(-45.225,-40.475) 1(-45.225,-40.474) 1(-45.225,-40.474) 1(-45.225,-40.474) 1(-45.225,-40.473) 1(-45.225,-40.473) 1(-45.225,-40.473) 1(-45.225,-40.472) 1(-45.225,-40.472) 1(-45.225,-40.472) 1(-45.225,-40.472) 1(-45.225,-40.472) 1(-45.225,-40.472) 1(-45.225,-40.478) 1(-45.225,-40.478) 1(-45.225,-40.478) 1(-45.225,-40.478) 1(-45.225,-40.478) 1(-45.225,-40.478) 1(-45.225,-40.477) 1(-45.225,-40.477) 1(-45.225,-40.477) 1(-45.225,-40.476) 1(-45.225,-40.476) 1(-45.225,-40.476) 1(-45.225,-40.475) 1(-45.225,-40.475) 1(-45.225,-40.475) 1(-45.225,-40.475) 1(-45.225,-40.475) 1(-45.225,-40.475) 1(-45.225,-40.475) 1(-45.225,-40.475) 1(-45.225,-40.475) 1(-45.225,-40.475) 1(-45.225,-40.475) 1(-45.225,-40.475) 1(-45.225,-40.474) 1(-45.225,-40.474) 1(-45.225,-40.474) 1(-45.225,-40.474) 1(-45.225,-40.474) 1(-45.225,-40.474) 1(-45.225,-40.509) 1(-45.225,-40.509) 1(-45.225,-40.509) 1(-45.225,-40.508) 1(-45.225,-40.508) 1(-45.225,-40.508) 1(-45.225,-40.508) 1(-45.225,-40.508) 1(-45.225,-40.508) 1(-45.225,-40.507) 1(-45.225,-40.507) 1(-45.225,-40.507) 1(-45.225,-40.47) 1(-45.225,-40.47) 1(-45.225,-40.47) 1(-45.225,-40.47) 1(-45.225,-40.47) 1(-45.225,-40.47) 1(-45.225,-40.47) 1(-45.225,-40.47) 1(-45.225,-40.47) 1(-45.225,-40.469) 1(-45.225,-40.469) 1(-45.225,-40.469) 1(-45.225,-40.469) 1(-45.225,-40.469) 1(-45.225,-40.469) 1(-45.225,-40.469) 1(-45.225,-40.469) 1(-45.225,-40.469) 1(-45.225,-40.472) 1(-45.225,-40.472) 1(-45.225,-40.472) 1(-45.225,-40.472) 1(-45.225,-40.472) 1(-45.225,-40.472) 1(-45.225,-40.471) 1(-45.225,-40.471) 1(-45.225,-40.471) 1(-45.225,-40.471) 1(-45.225,-40.471) 1(-45.225,-40.471) 1(-45.224,-40.47) 1(-45.224,-40.47) 1(-45.224,-40.47) 1(-45.224,-40.47) 1(-45.224,-40.47) 1(-45.224,-40.47) 1(-45.224,-40.469) 1(-45.224,-40.469) 1(-45.224,-40.469) 1(-45.224,-40.469) 1(-45.224,-40.469) 1(-45.224,-40.469) 1(-45.224,-40.472) 1(-45.224,-40.472) 1(-45.224,-40.472) 1(-45.224,-40.472) 1(-45.224,-40.472) 1(-45.224,-40.472) 1(-45.224,-40.471) 1(-45.224,-40.471) 1(-45.224,-40.471) 1(-45.224,-40.47) 1(-45.224,-40.47) 1(-45.224,-40.47) 1(-45.224,-40.469) 1(-45.224,-40.469) 1(-45.224,-40.469) 1(-45.224,-40.469) 1(-45.224,-40.469) 1(-45.224,-40.469) 1(-45.224,-40.509) 1(-45.224,-40.509) 1(-45.224,-40.509) 1(-45.224,-40.509) 1(-45.224,-40.509) 1(-45.224,-40.509) 1(-45.224,-40.508) 1(-45.224,-40.508) 1(-45.224,-40.508) 1(-45.224,-40.508) 1(-45.224,-40.508) 1(-45.224,-40.508) 1(-45.224,-40.508) 1(-45.224,-40.508) 1(-45.224,-40.508) 1(-45.224,-40.508) 1(-45.224,-40.508) 1(-45.224,-40.508) 1(-45.224,-40.507) 1(-45.224,-40.507) 1(-45.224,-40.507) 1(-45.224,-40.507) 1(-45.224,-40.507) 1(-45.224,-40.507) 1(-45.223,-40.467) 1(-45.223,-40.467) 1(-45.223,-40.467) 1(-45.223,-40.467) 1(-45.223,-40.467) 1(-45.223,-40.467) 1(-45.223,-40.461) 1(-45.223,-40.461) 1(-45.223,-40.461) 1(-45.223,-40.461) 1(-45.223,-40.461) 1(-45.223,-40.461) 1(-45.223,-40.472) 1(-45.223,-40.472) 1(-45.223,-40.472) 1(-45.223,-40.472) 1(-45.223,-40.472) 1(-45.223,-40.472) 1(-45.223,-40.471) 1(-45.223,-40.471) 1(-45.223,-40.471) 1(-45.223,-40.47) 1(-45.223,-40.47) 1(-45.223,-40.47) 1(-45.223,-40.469) 1(-45.223,-40.469) 1(-45.223,-40.469) 1(-45.223,-40.469) 1(-45.223,-40.469) 1(-45.223,-40.469) 1(-45.222,-40.475) 1(-45.222,-40.475) 1(-45.222,-40.475) 1(-45.222,-40.475) 1(-45.222,-40.475) 1(-45.222,-40.475) 1(-45.222,-40.475) 1(-45.222,-40.475) 1(-45.222,-40.475) 1(-45.222,-40.475) 1(-45.222,-40.475) 1(-45.222,-40.475) 1(-45.222,-40.474) 1(-45.222,-40.474) 1(-45.222,-40.474) 1(-45.222,-40.474) 1(-45.222,-40.474) 1(-45.222,-40.474) 1(-45.222,-40.474) 1(-45.222,-40.474) 1(-45.222,-40.474) 1(-45.222,-40.474) 1(-45.222,-40.474) 1(-45.222,-40.474) 1(-45.222,-40.479) 1(-45.222,-40.479) 1(-45.222,-40.479) 1(-45.222,-40.478) 1(-45.222,-40.478) 1(-45.222,-40.478) 1(-45.222,-40.478) 1(-45.222,-40.478) 1(-45.222,-40.478) 1(-45.222,-40.475) 1(-45.222,-40.475) 1(-45.222,-40.475) 1(-45.218,-40.479) 1(-45.218,-40.479) 1(-45.218,-40.479) 1(-45.218,-40.478) 1(-45.218,-40.478) 1(-45.218,-40.478) 1(-45.218,-40.478) 1(-45.218,-40.478) 1(-45.218,-40.478) 1(-45.218,-40.475) 1(-45.218,-40.475) 1(-45.218,-40.475)